# Altium PCB FMC_SDR.PcbDoc (part 1 of 4)
Units mm, origin at the board's own origin, x right, y up, seen from the top; angles counter-clockwise.
Board outline 83.63 x 69 mm, 8 copper layers (Top, Int1 [signals], Int2 [GND], Int3 [high speed], Int4 [high speed], Int5 [GND/PWR], Int6 [GND/PWR], Bottom), stack 1.579 mm thick; 242 components, 142 nets, 831 pads, 1051 vias.
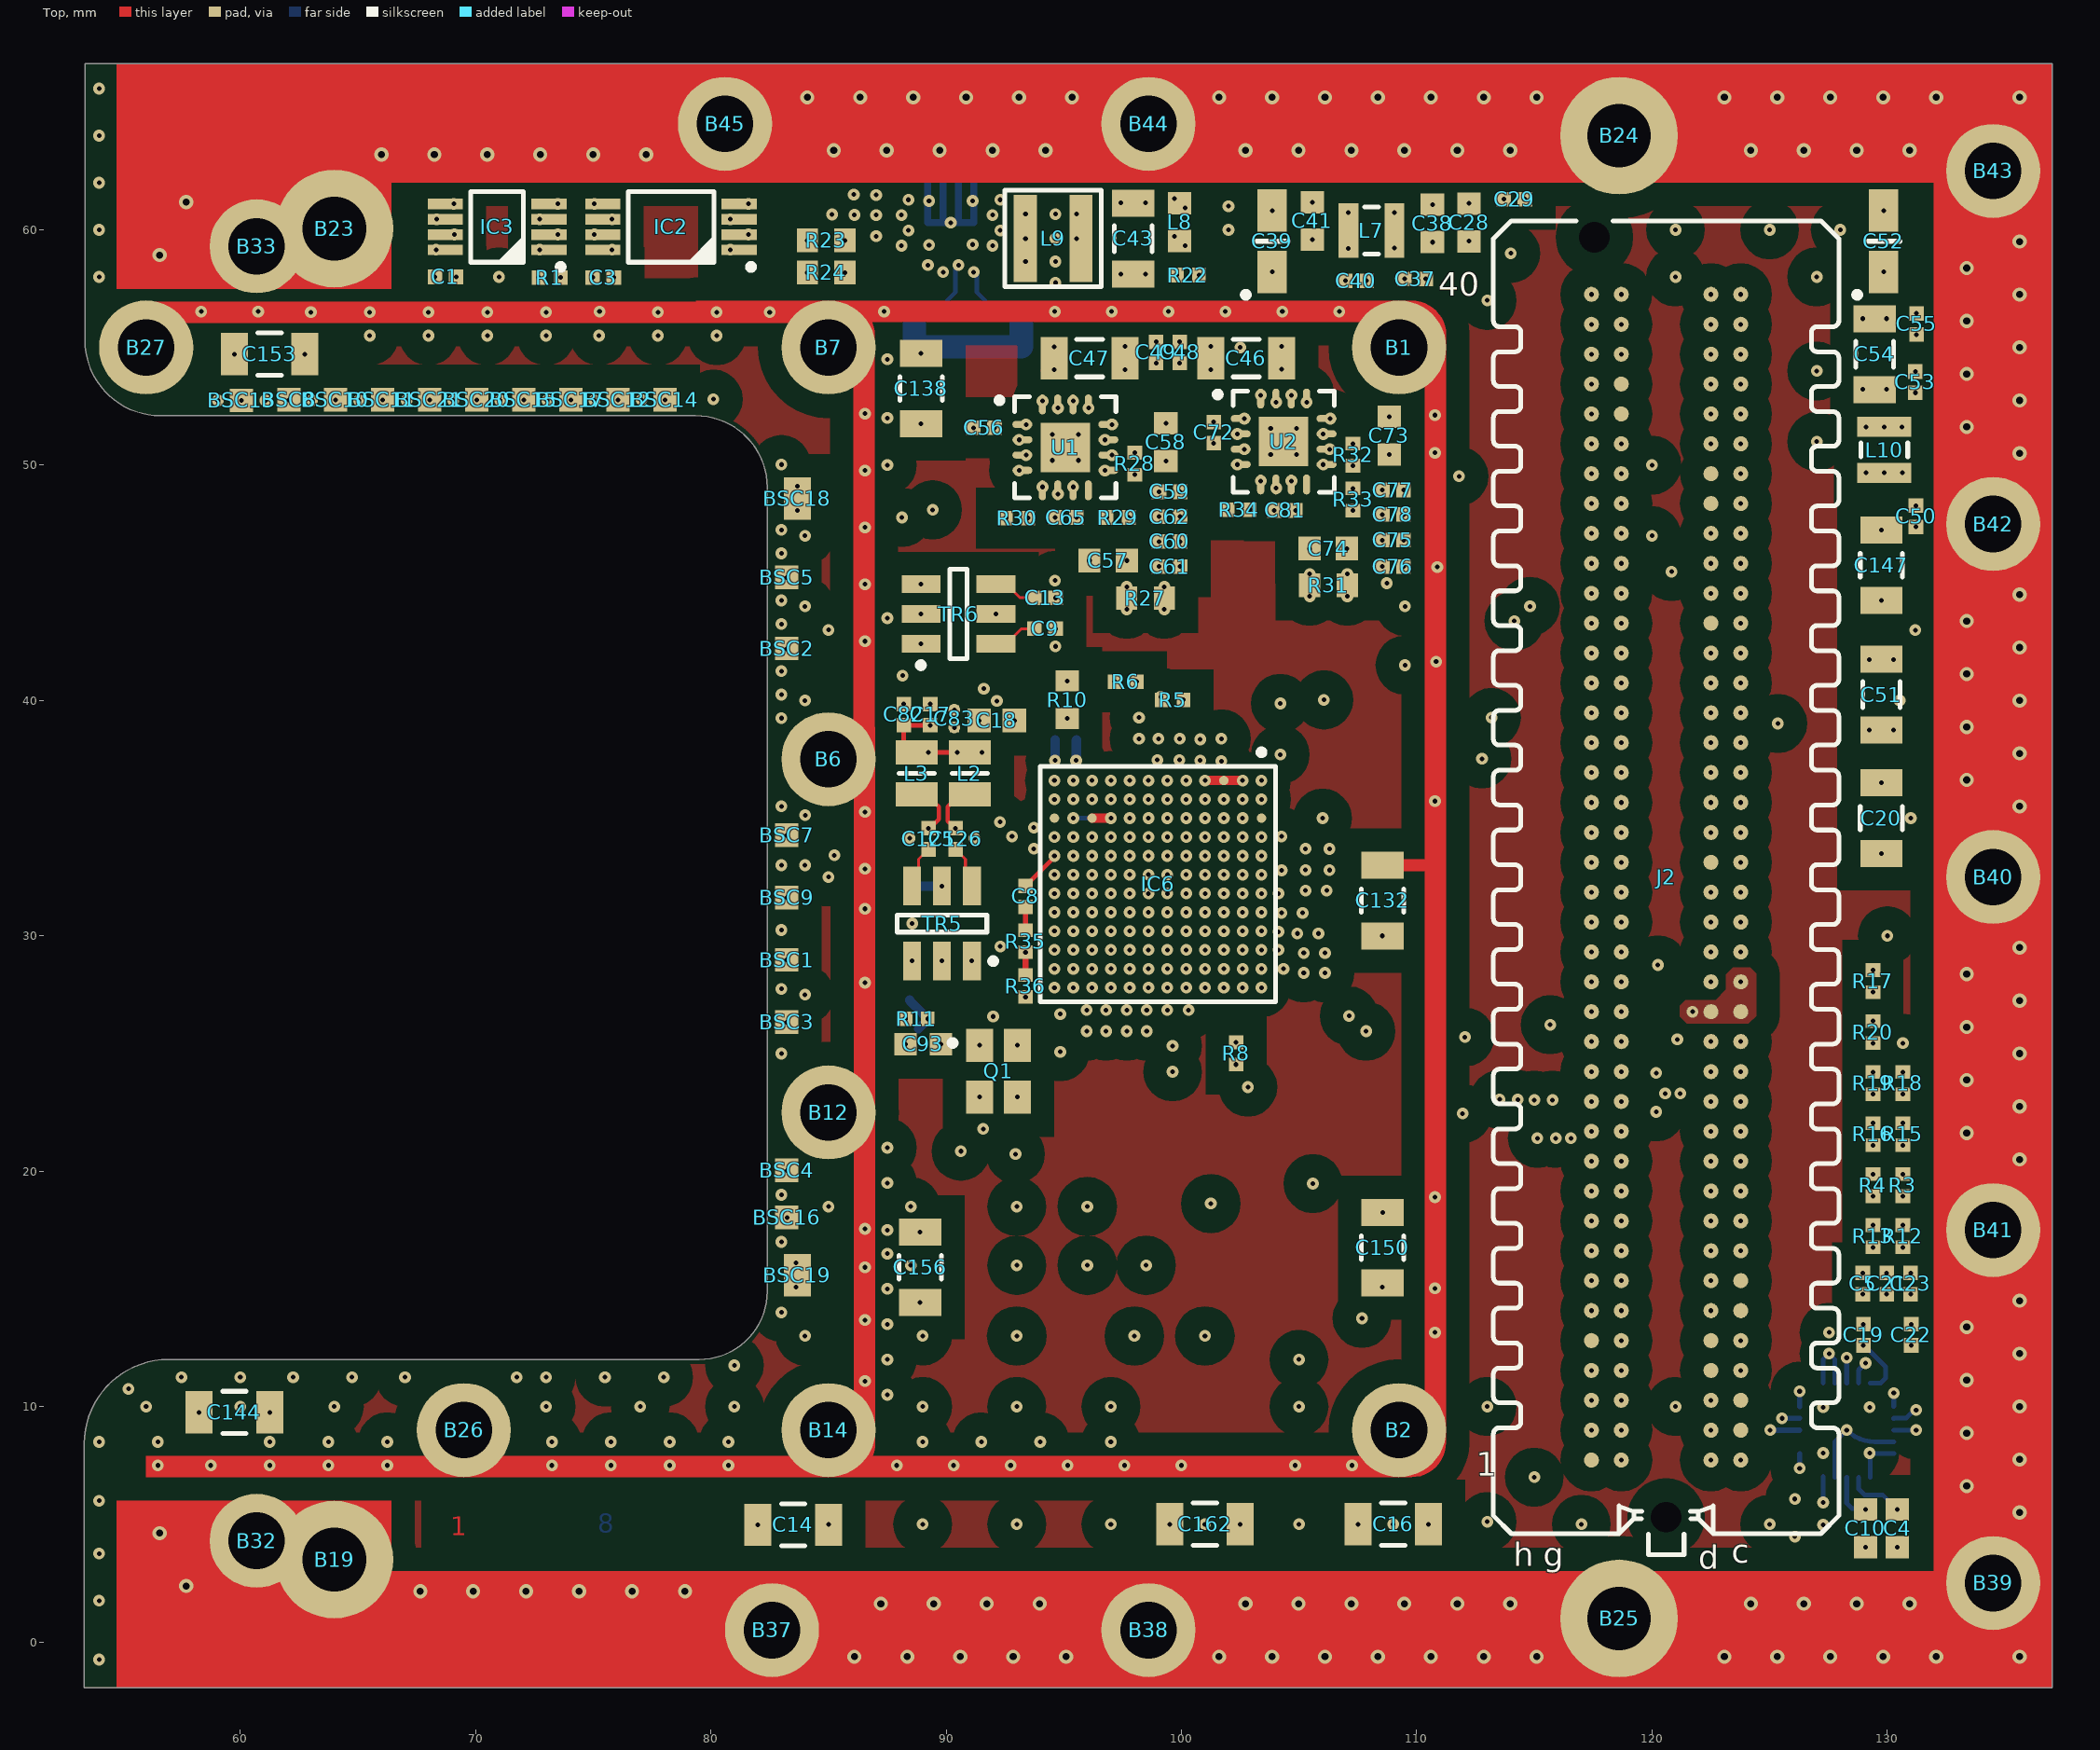
[diagram p0: Top view]
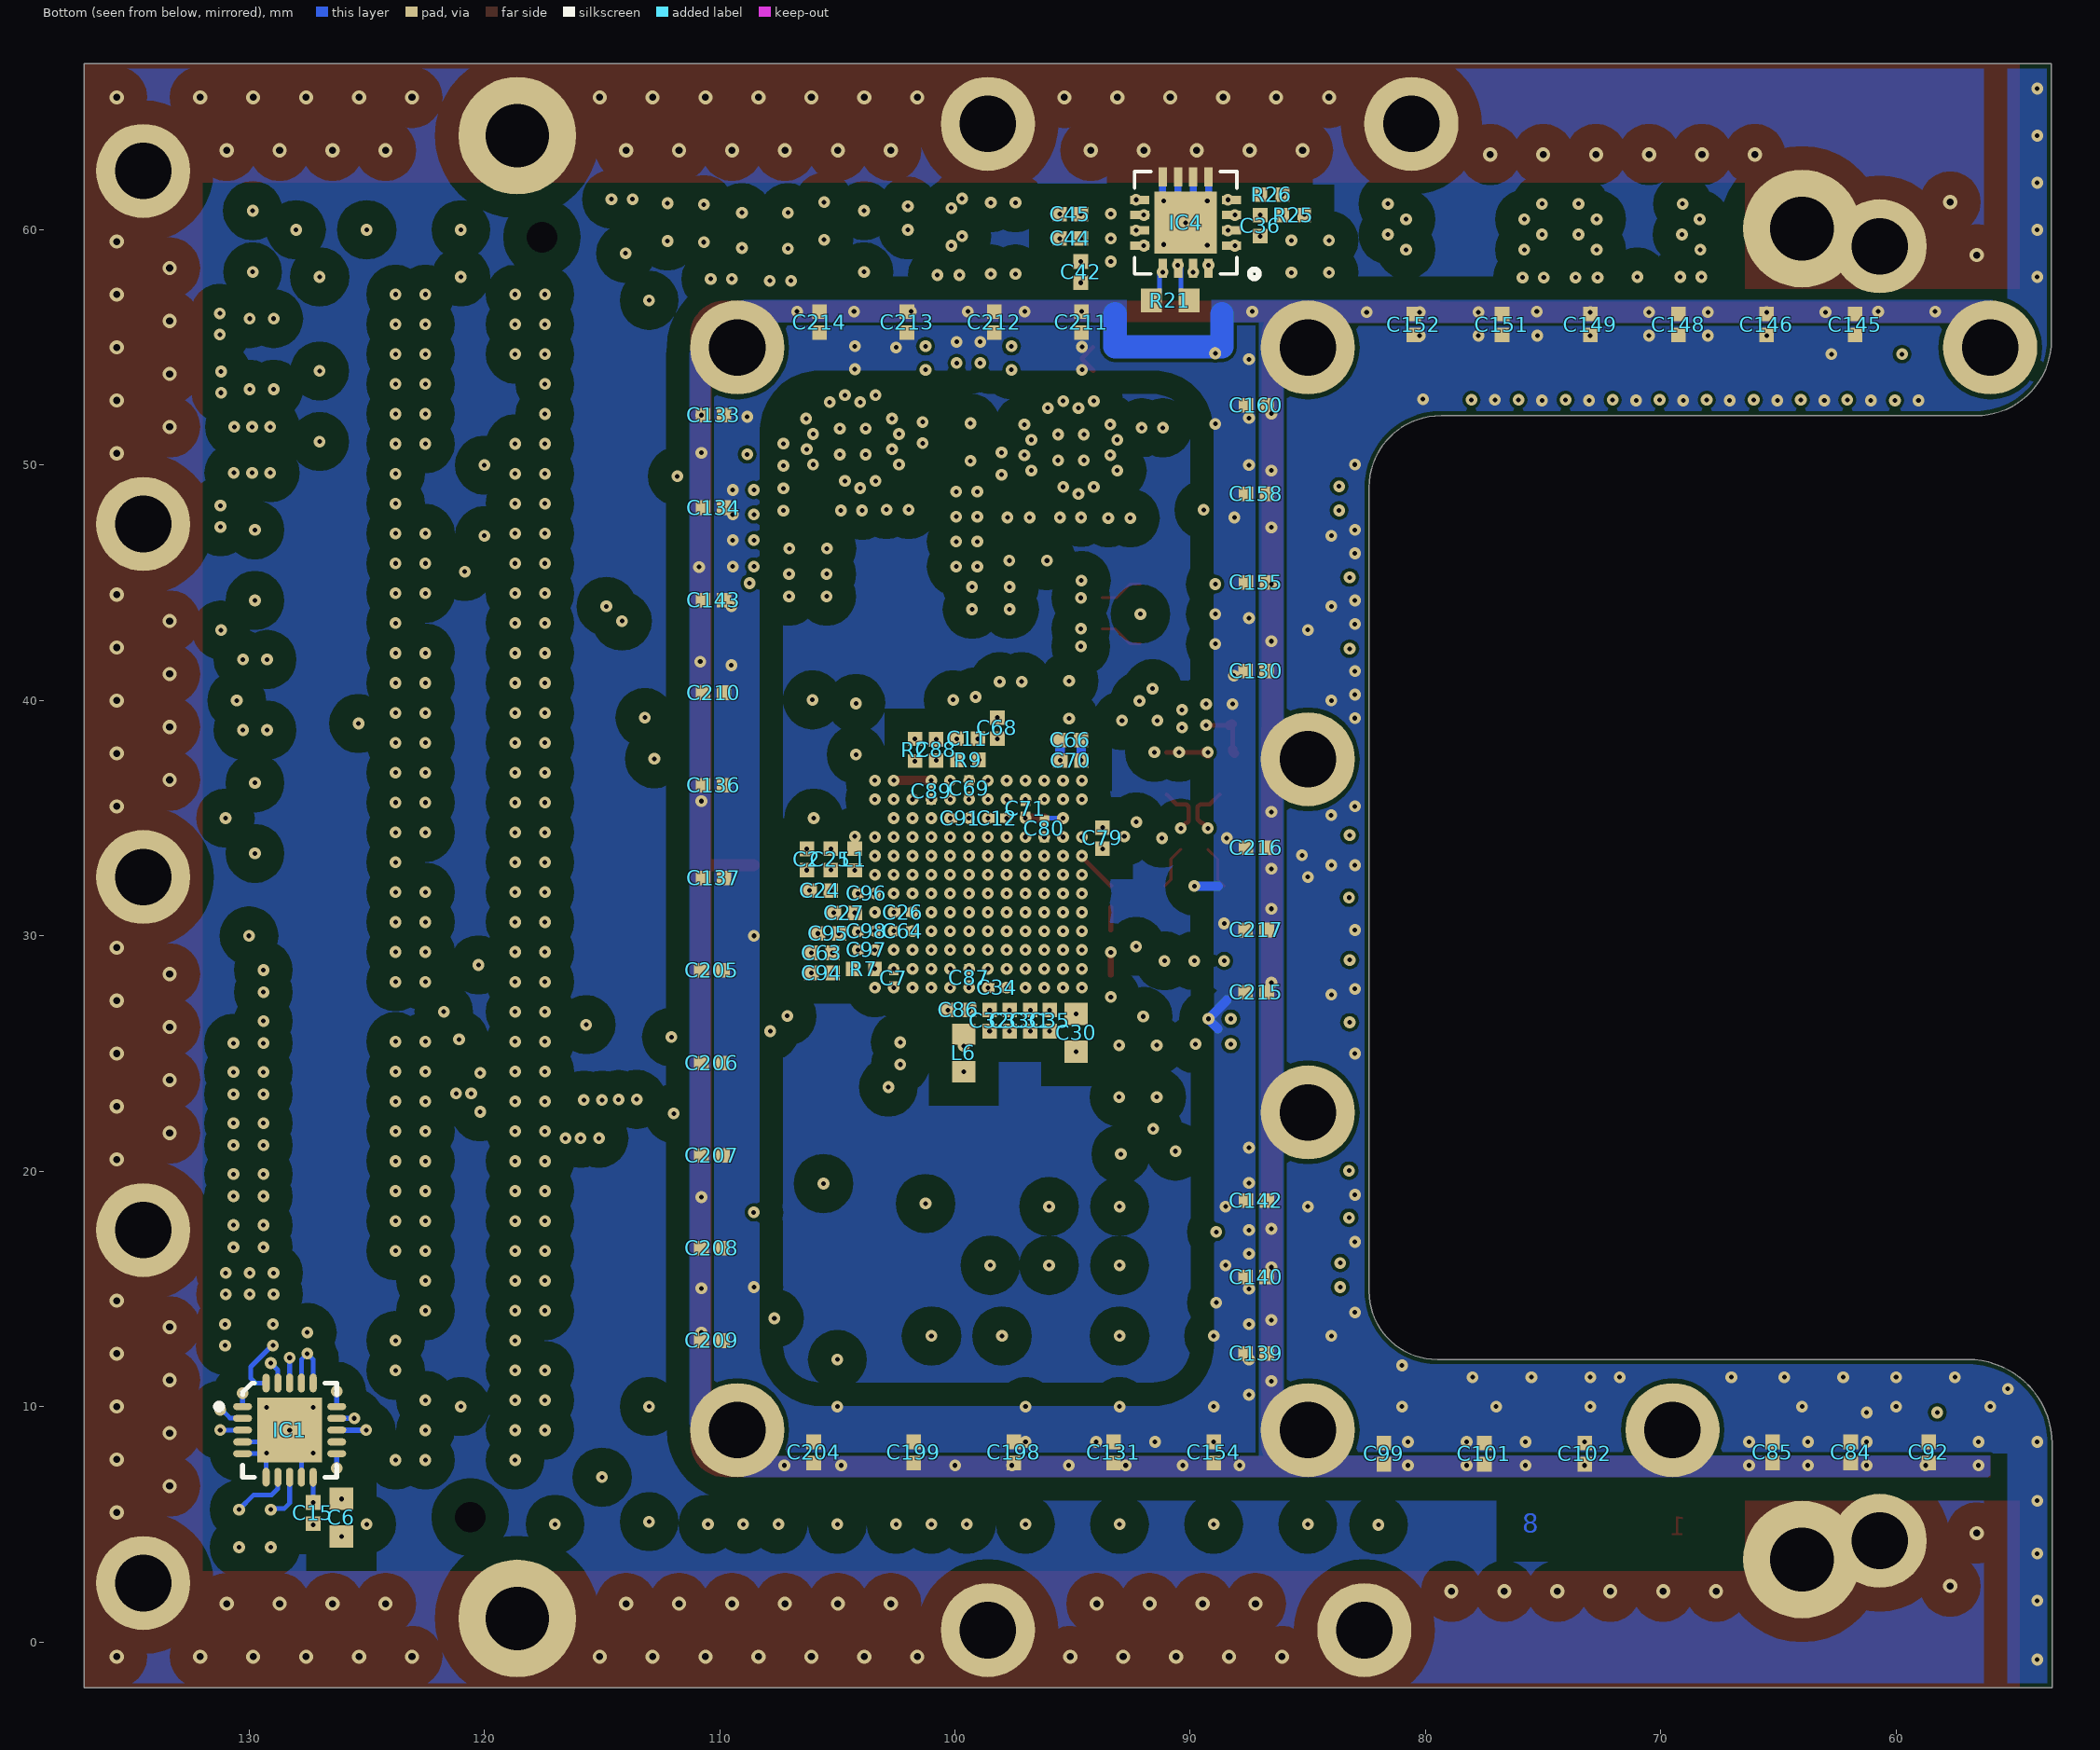
[diagram p1: Bottom view, seen from below]
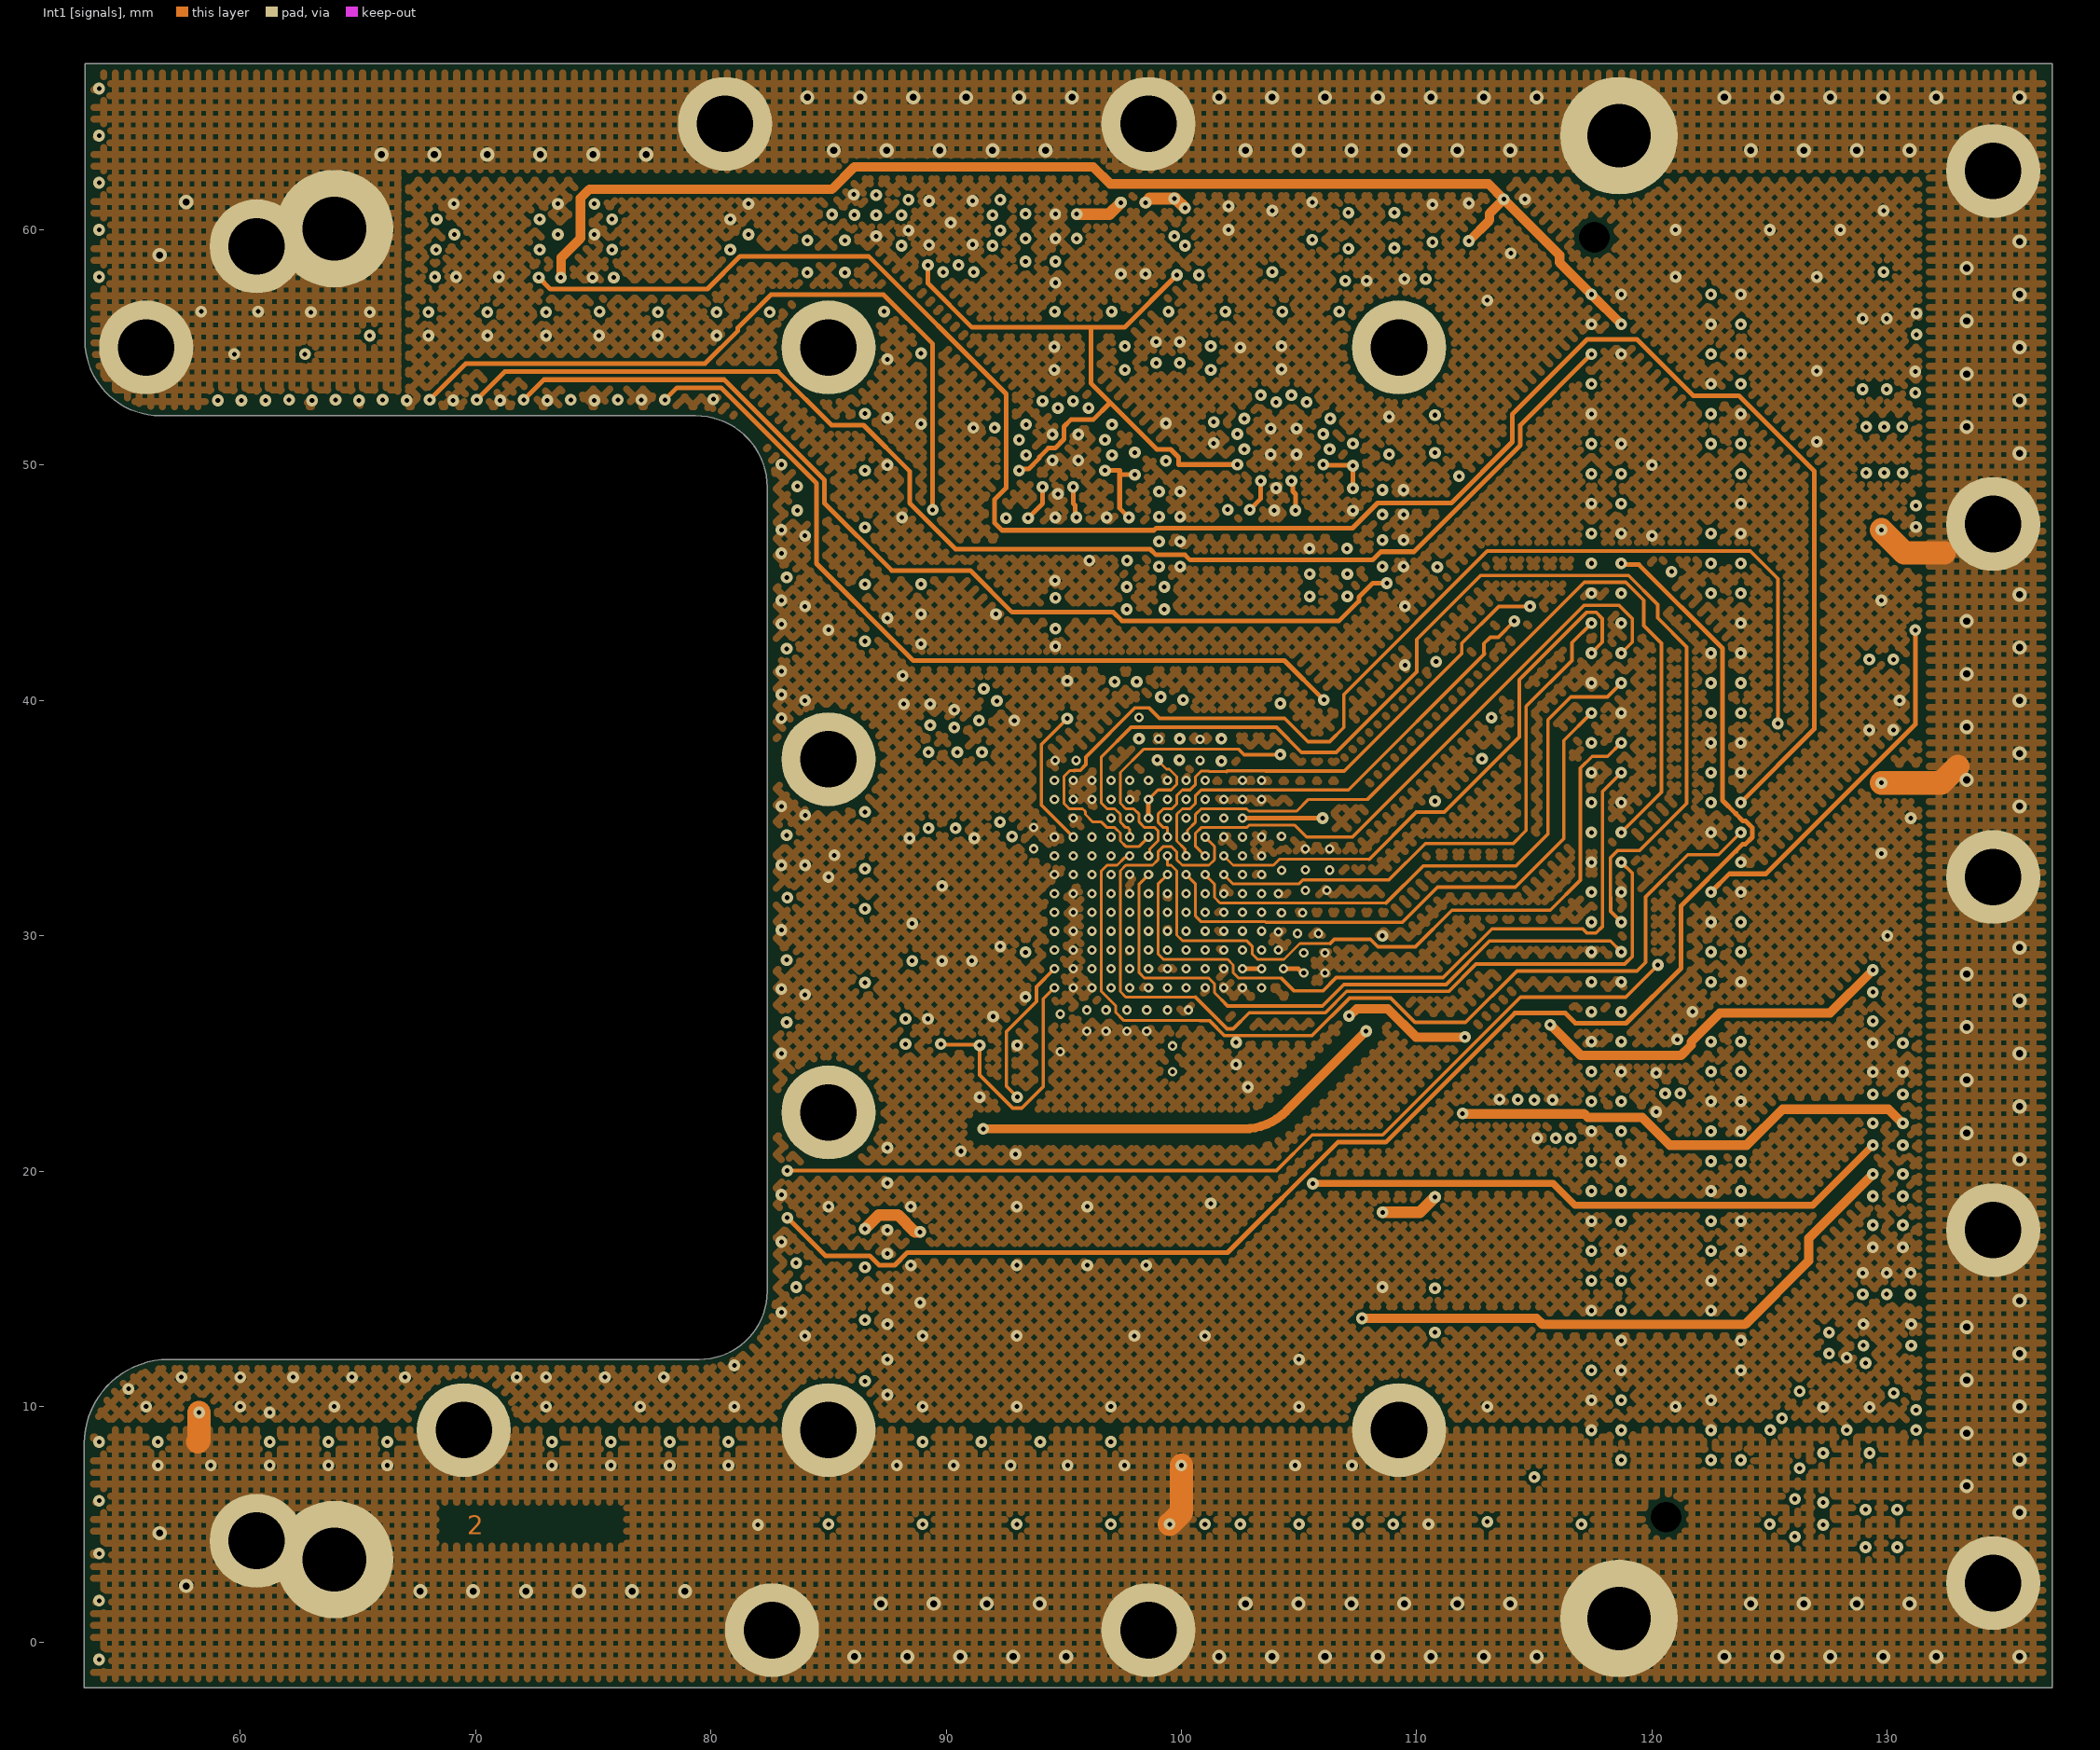
[diagram p2: Int1 [signals]]
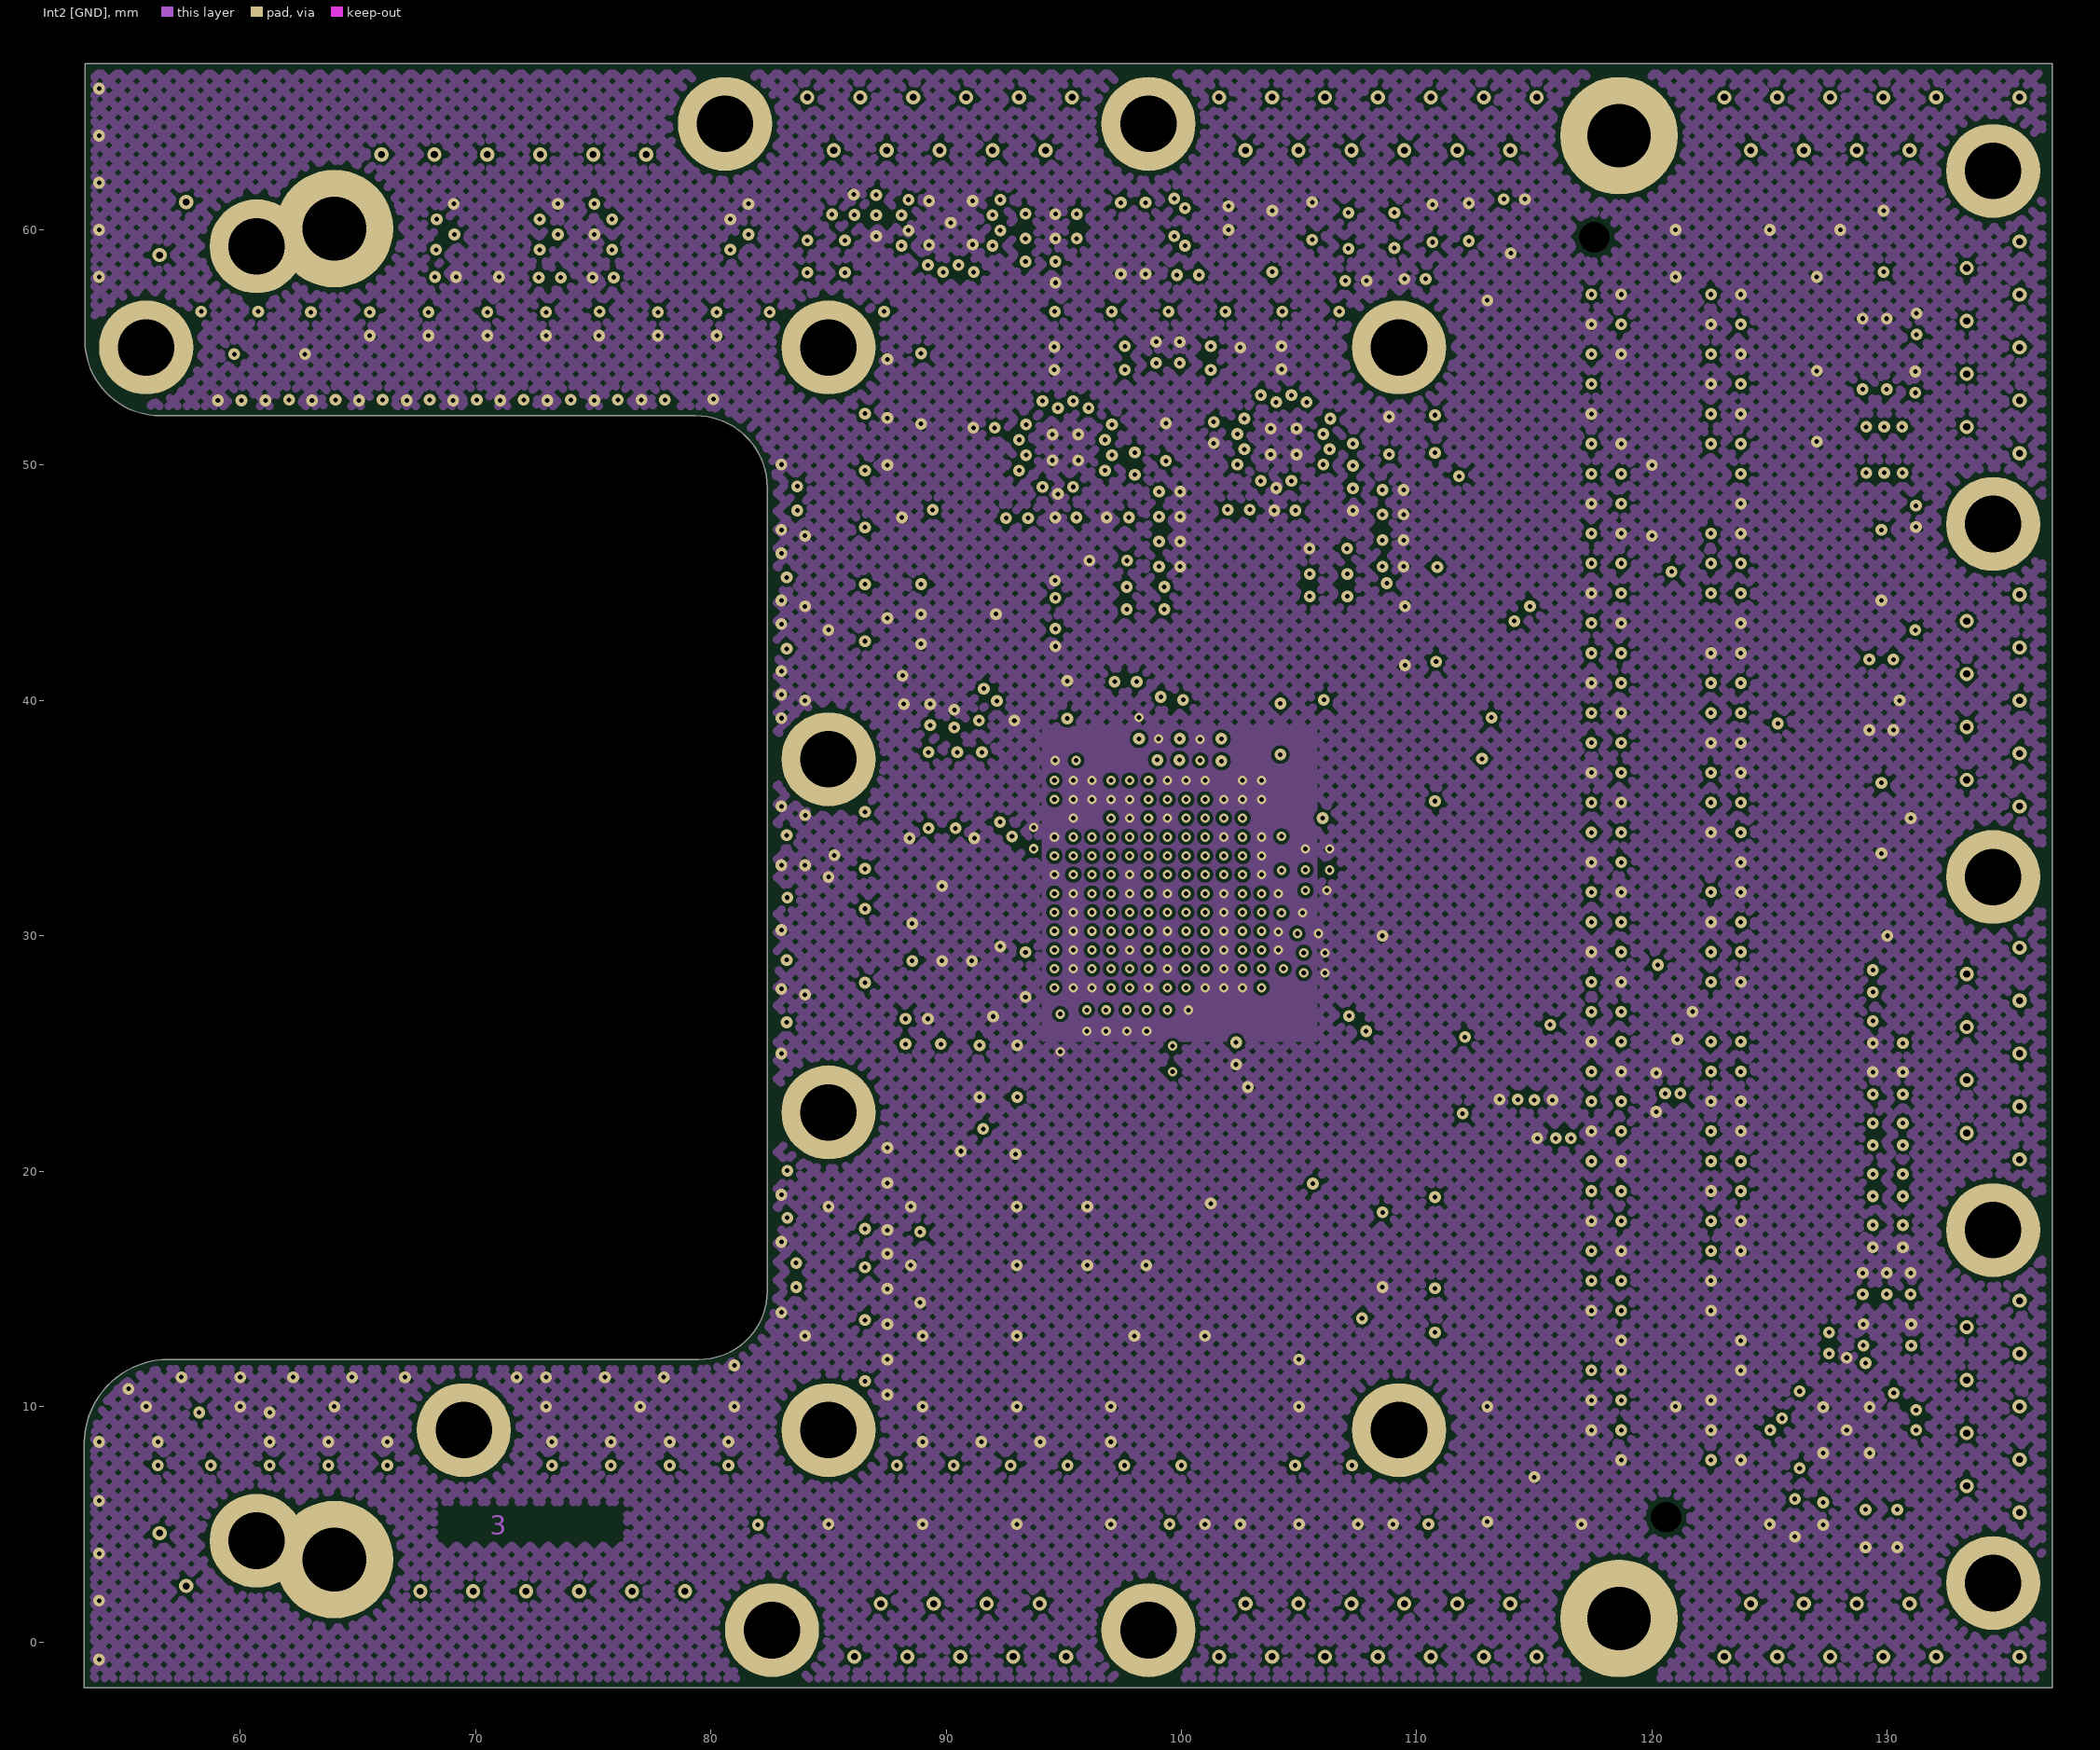
[diagram p3: Int2 [GND]]